# KiCad board SmartSolarHeatingProject.kicad_pcb
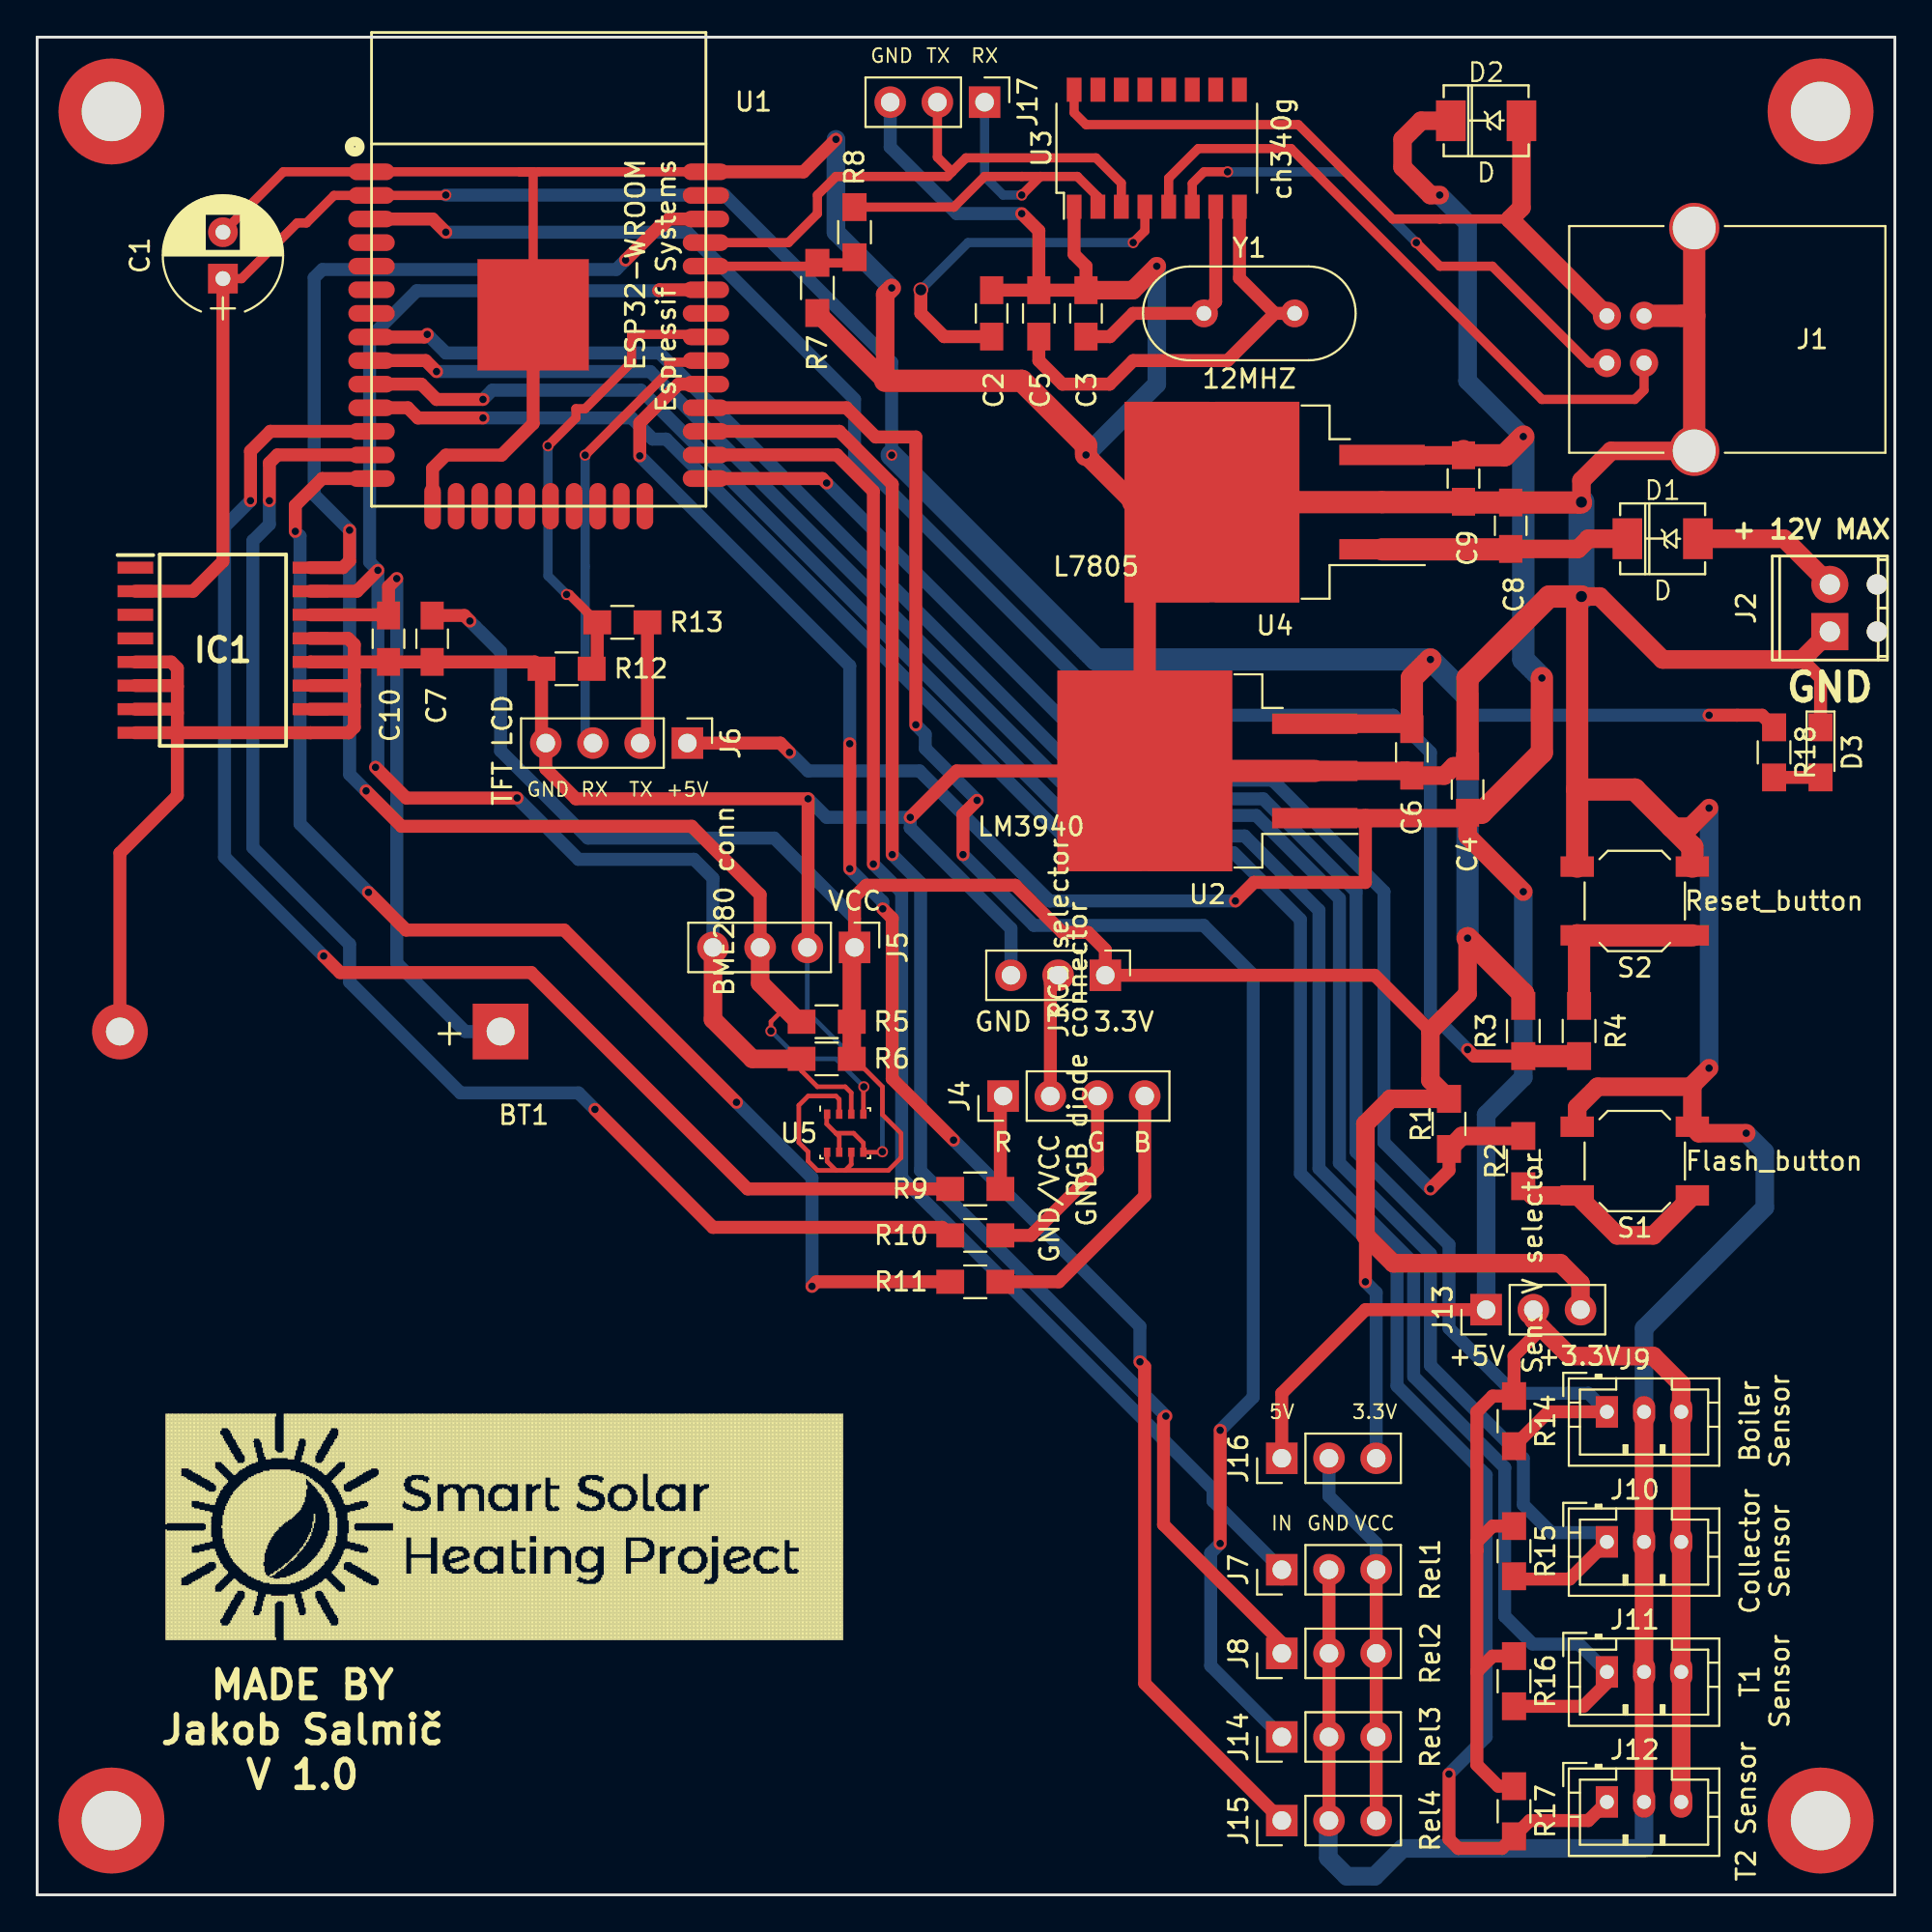
[diagram p0: board, top side]
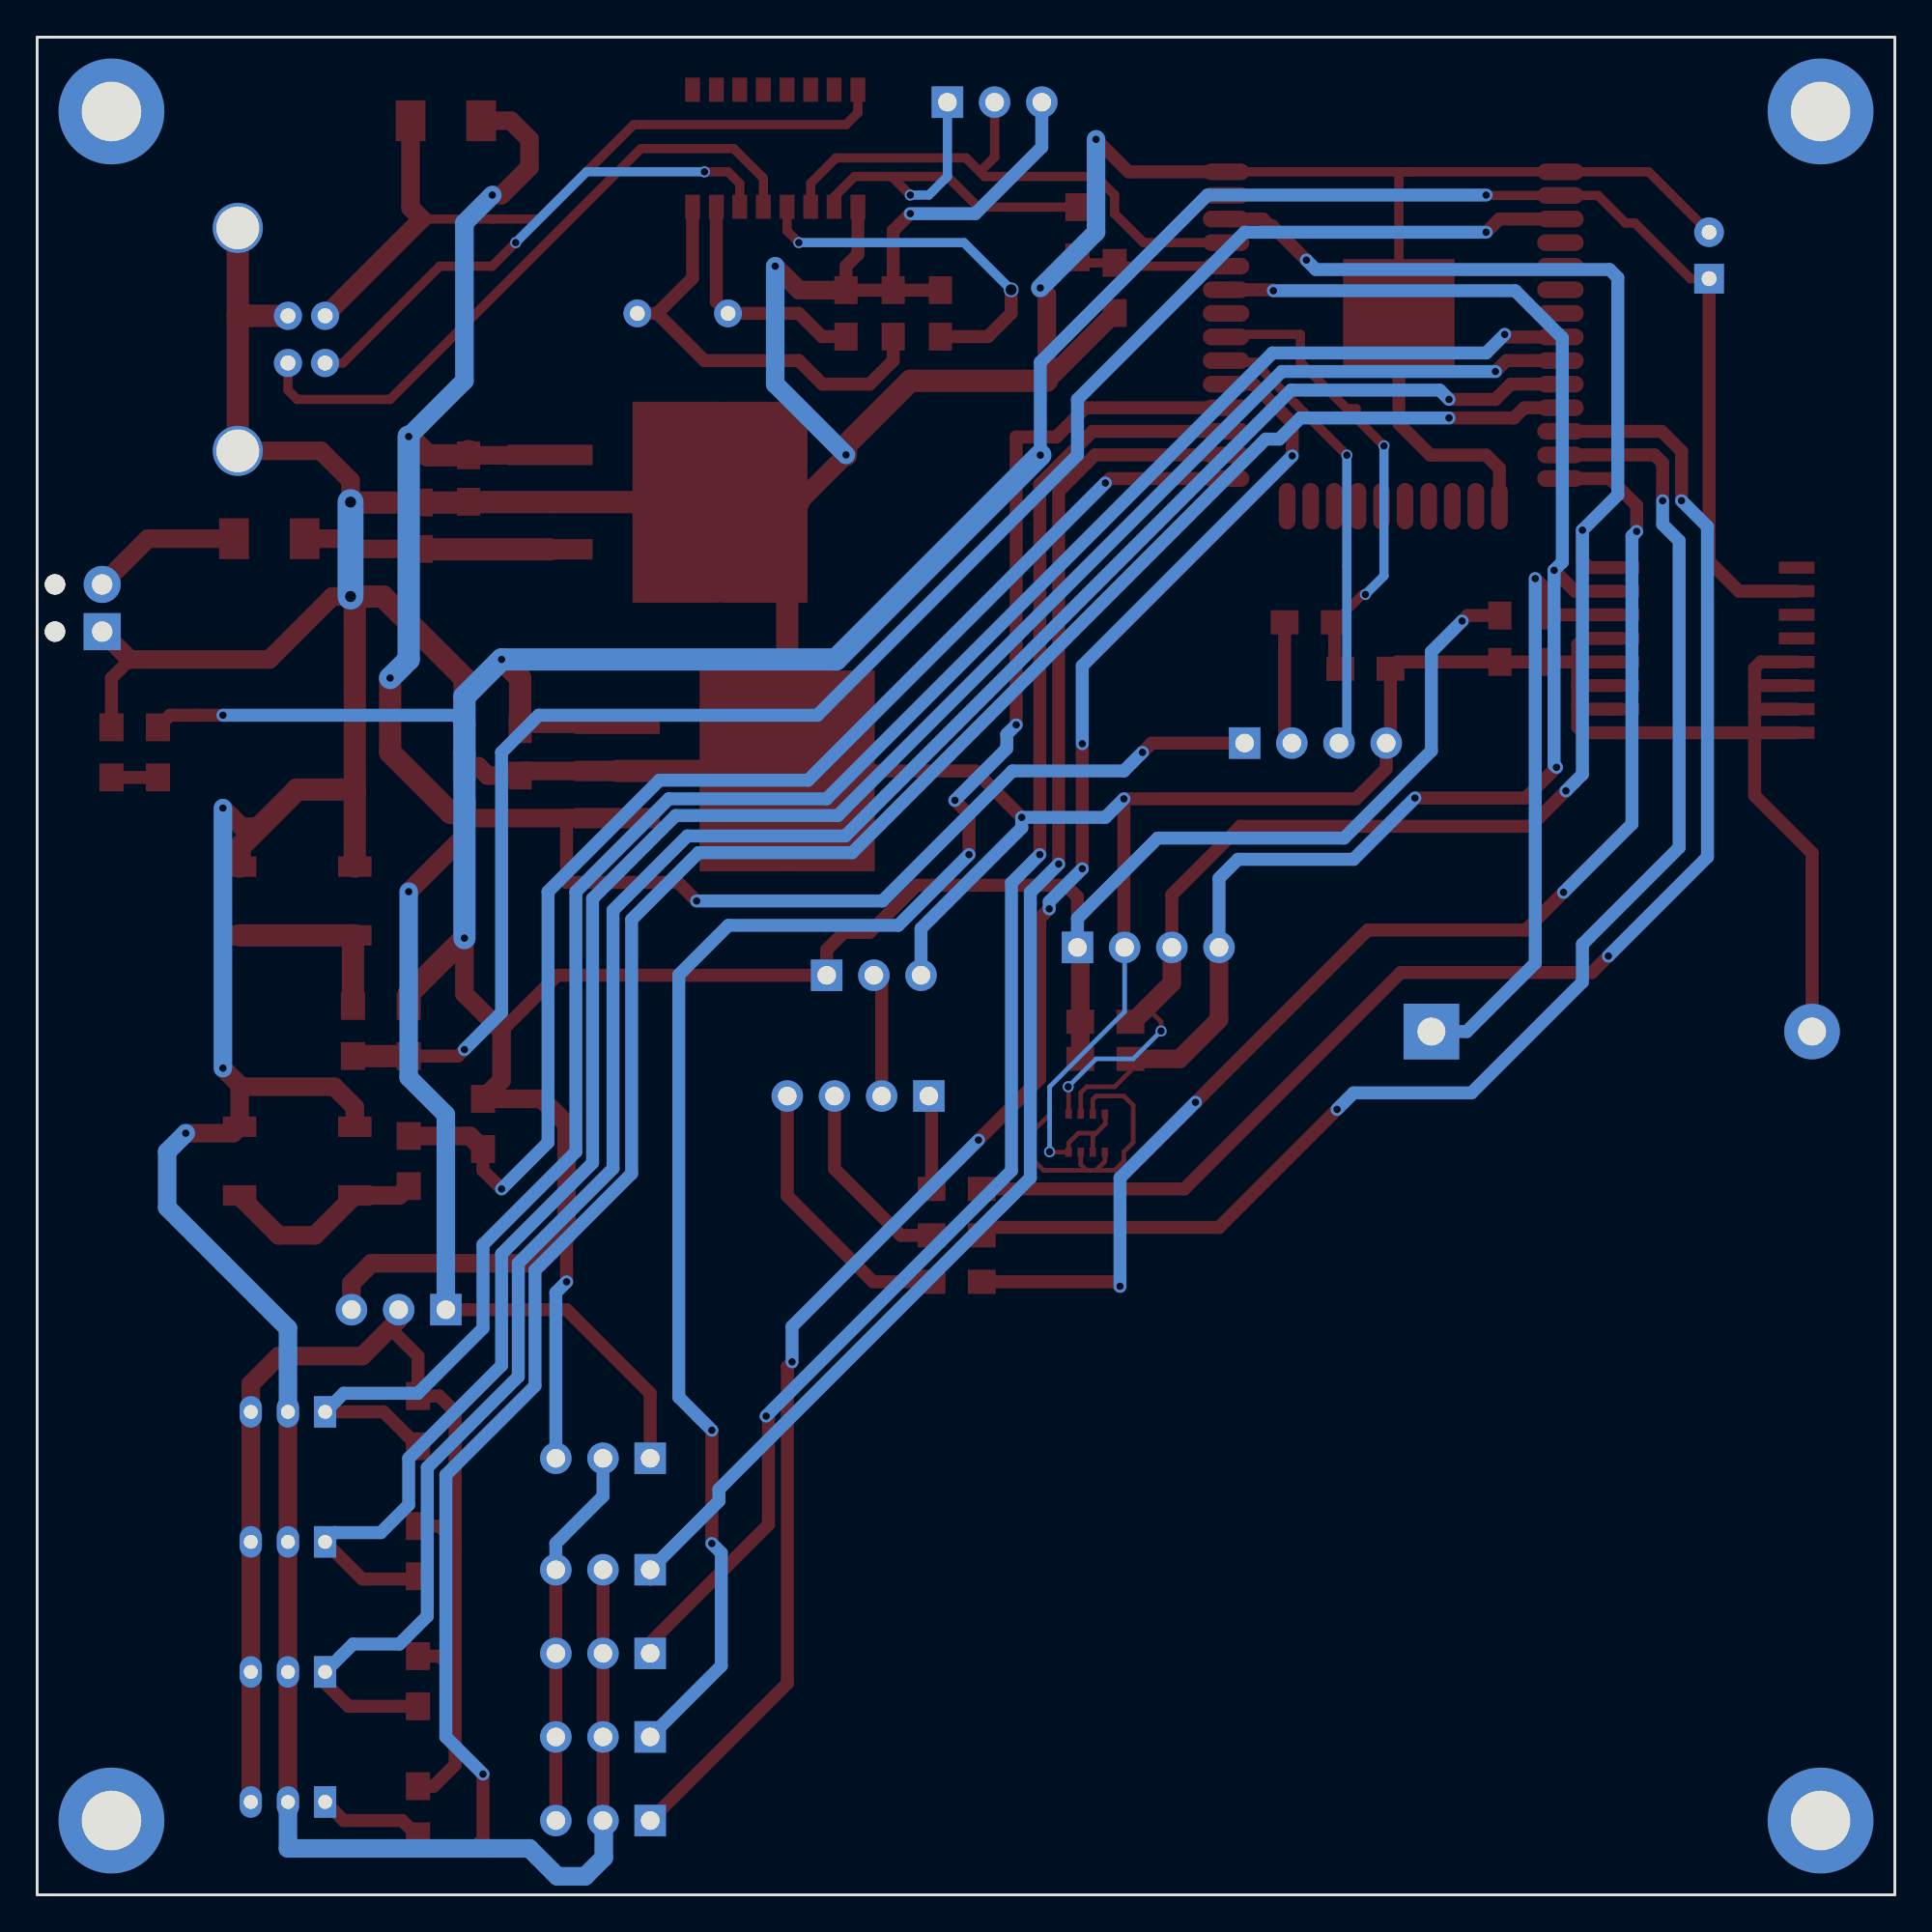
[diagram p1: board, bottom side, seen from below]

Outline 100 x 100 mm; copper layers: Top, Bottom. Coordinates in mm from the lower left corner of the outline.
Outline path: 0,100 0,0 100,0 100,100 0,100

## Placement (name value [footprint] x y rotation side)
BT1  Battery_Cell  [Keystone_106_1x20mm-CoinCell]  24.95 46.47 180 top
C1  100uF  [CP_Radial_D6.3mm_P2.50mm]  10 87 90 top
C2  0.1uF  [C_0805_HandSoldering]  51.38 85.13 90 top
C3  22pF  [C_0805_HandSoldering]  56.46 85.13 90 top
C4  10uF  [C_0805_HandSoldering]  77 59.5 90 top
C5  22pF  [C_0805_HandSoldering]  53.92 85.13 90 top
C6  10uF  [C_0805_HandSoldering]  74 61.5 270 top
C7  0.01uF  [C_0805_HandSoldering]  21.26 67.62 270 top
C8  10uF  [C_0805_HandSoldering]  79.32 73.7 90 top
C9  10uF  [C_0805_HandSoldering]  76.78 76.24 270 top
C10  0.01uF  [C_0805_HandSoldering]  18.91 67.62 270 top
D1  D  [DO-214AC(SMA)]  87.5 73 0 top
D2  D  [DO-214AC(SMA)]  78 95.5 0 top
D3  LED  [LED_0805_HandSoldering]  96 61.5 270 top
IC1  DS3231N  [SOIC127P1032X265-16N]  10 67 0 top
J1  -  [USB_B]  84.5 85 0 top
J2  Power_Screw_Terminal  [TerminalBlock_Pheonix_MPT-2.54mm_2pol]  96.5 68 90 top
J3  RGB selector  [Pin_Header_Straight_1x03_Pitch2.54mm]  57.5 49.5 270 top
J4  RGB diode connector  [Pin_Header_Straight_1x04_Pitch2.54mm]  52 43 90 top
J5  BME280 conn  [Socket_Strip_Straight_1x04_Pitch2.54mm]  44 51 270 top
J6  TFT LCD  [Socket_Strip_Straight_1x04_Pitch2.54mm]  35 62 270 top
J7  Relay1 conn  [Pin_Header_Straight_1x03_Pitch2.54mm]  67 17.5 90 top
J8  Relay2 conn  [Pin_Header_Straight_1x03_Pitch2.54mm]  67 13 90 top
J9  TempSensor1 conn  [JST_PH_B3B-PH-K_03x2.00mm_Straight]  84.5 26 0 top
J10  TempSensor2 conn  [JST_PH_B3B-PH-K_03x2.00mm_Straight]  84.5 19 0 top
J11  TempSensor3 conn  [JST_PH_B3B-PH-K_03x2.00mm_Straight]  84.5 12 0 top
J12  TempSensor4 conn  [JST_PH_B3B-PH-K_03x2.00mm_Straight]  84.5 5 0 top
J13  Sens V selector  [Pin_Header_Straight_1x03_Pitch2.54mm]  78 31.5 90 top
J14  Relay3 conn  [Pin_Header_Straight_1x03_Pitch2.54mm]  67 8.5 90 top
J15  Relay4 conn  [Pin_Header_Straight_1x03_Pitch2.54mm]  67 4 90 top
J16  Relay V selector  [Pin_Header_Straight_1x03_Pitch2.54mm]  67 23.5 90 top
J17  UART  [Pin_Header_Straight_1x03_Pitch2.54mm]  51 96.5 270 top
LOGO  -  [LOGO]  6.91 25.9 0 top
NOREF  MountingHole_3.2mm_M3  [MountingHole_3.2mm_M3_ISO7380_Pad]  4 96 0 top
NOREF#2  MountingHole_3.2mm_M3  [MountingHole_3.2mm_M3_ISO7380_Pad]  4 4 0 top
NOREF#3  MountingHole_3.2mm_M3  [MountingHole_3.2mm_M3_ISO7380_Pad]  96 96 0 top
NOREF#4  MountingHole_3.2mm_M3  [MountingHole_3.2mm_M3_ISO7380_Pad]  96 4 0 top
R1  12K  [R_0805_HandSoldering]  76 41.5 270 top
R2  1K  [R_0805_HandSoldering]  80 39.5 270 top
R3  12K  [R_0805_HandSoldering]  80 46.5 270 top
R4  1K  [R_0805_HandSoldering]  83 46.5 90 top
R5  10K  [R_0805_HandSoldering]  42.5 47 180 top
R6  10K  [R_0805_HandSoldering]  42.5 45 180 top
R7  2K  [R_0805_HandSoldering]  42 86.5 270 top
R8  1K  [R_0805_HandSoldering]  44 89.5 90 top
R9  470  [R_0805_HandSoldering]  50.5 38 0 top
R10  470  [R_0805_HandSoldering]  50.5 35.5 0 top
R11  470  [R_0805_HandSoldering]  50.5 33 0 top
R12  2K  [R_0805_HandSoldering]  28.5 66 180 top
R13  1K  [R_0805_HandSoldering]  31.5 68.5 180 top
R14  2.7K  [R_0805_HandSoldering]  79.5 25.5 270 top
R15  2.7K  [R_0805_HandSoldering]  79.5 18.5 270 top
R16  2.7K  [R_0805_HandSoldering]  79.5 11.5 270 top
R17  2.7K  [R_0805_HandSoldering]  79.5 4.5 270 top
R18  1K  [R_0805_HandSoldering]  93.5 61.5 270 top
S1  Flash_button  [SW_SPST_SKQG]  86 39.5 180 top
S2  Reset_button  [SW_SPST_SKQG]  86 53.5 180 top
U1  -  [ESP32-WROOM]  27 87.5 180 top
U2  LM3940  [TO-263-3_TabPin2]  63 60.5 180 top
U3  ch340g  [SOP-16_4.4x10.4mm_Pitch1.27mm]  60.27 94.02 90 top
U4  L7805  [TO-263-3_TabPin2]  66.62 74.97 180 top
U5  BME280  [Bosch_LGA-8_2.5x2.5mm_Pitch0.65mm_ClockwisePinNumbering]  43.5 41 0 top
Y1  12MHZ  [Crystal_HC49-4H_Vertical]  62.81 85.13 0 top

## Footprints (pads in the part's own frame, mm; a bottom-side part is the same pattern mirrored in y, then rotated)
Bosch_LGA-8_2.5x2.5mm_Pitch0.65mm_ClockwisePinNumbering
  rect 0.35x0.5 smd: 1(-0.975,1.025) 2(-0.325,1.025) 3(0.325,1.025) 4(0.975,1.025) 5(0.975,-1.025) 6(0.325,-1.025) 7(-0.325,-1.025) 8(-0.975,-1.025)
C_0805_HandSoldering
  rect 1.5x1.25 smd: 1(-1.25,0) 2(1.25,0)
CP_Radial_D6.3mm_P2.50mm
  rect 1.6x1.6 hole 0.8: 1(0,0)
  round 1.6 hole 0.8: 2(2.5,0)
Crystal_HC49-4H_Vertical
  round 1.5 hole 0.8: 1(0,0) 2(4.88,0)
DO-214AC(SMA)
  rect 1.6x2.2 smd: 1(-1.9,0) 2(1.9,0)
ESP32-WROOM
  oval 2.5x0.9 smd: 1(9,-5.25) 2(9,-3.98) 3(9,-2.71) 4(9,-1.44) 5(9,-0.17) 6(9,1.1) 7(9,2.37) 8(9,3.64) 9(9,4.91) 10(9,6.18) 11(9,7.45) 12(9,8.72) 13(9,9.99) 14(9,11.26) 25(-9,11.26) 26(-9,9.99) 27(-9,8.72) 28(-9,7.45) 29(-9,6.18) 30(-9,4.91) 31(-9,3.64) 32(-9,2.37) 33(-9,1.1) 34(-9,-0.17) 35(-9,-1.44) 36(-9,-2.71) 37(-9,-3.98) 38(-9,-5.25)
  oval 0.9x2.5 smd: 15(5.715,12.75) 16(4.445,12.75) 17(3.175,12.75) 18(1.905,12.75) 19(0.635,12.75) 20(-0.635,12.75) 21(-1.905,12.75) 22(-3.175,12.75) 23(-4.445,12.75) 24(-5.715,12.75)
  rect 6x6 smd: 39(0.3,2.45)
JST_PH_B3B-PH-K_03x2.00mm_Straight
  rect 1.2x1.7 hole 0.75: 1(0,0)
  oval 1.2x1.7 hole 0.75: 2(2,0) 3(4,0)
Keystone_106_1x20mm-CoinCell
  rect 3x3 hole 1.5: 1(0,0)
  round 3 hole 1.5: 2(20.49,0)
LED_0805_HandSoldering
  rect 1.5x1.3 smd: 1(-1.35,0) 2(1.35,0)
MountingHole_3.2mm_M3_ISO7380_Pad
  round 5.7 hole 3.2: 1(0,0)
Pin_Header_Straight_1x03_Pitch2.54mm
  rect 1.7x1.7 hole 1: 1(0,0)
  oval 1.7x1.7 hole 1: 2(0,-2.54) 3(0,-5.08)
Pin_Header_Straight_1x04_Pitch2.54mm
  rect 1.7x1.7 hole 1: 1(0,0)
  oval 1.7x1.7 hole 1: 2(0,-2.54) 3(0,-5.08) 4(0,-7.62)
R_0805_HandSoldering
  rect 1.5x1.3 smd: 1(-1.35,0) 2(1.35,0)
Socket_Strip_Straight_1x04_Pitch2.54mm
  rect 1.7x1.7 hole 1: 1(0,0)
  oval 1.7x1.7 hole 1: 2(0,-2.54) 3(0,-5.08) 4(0,-7.62)
SOIC127P1032X265-16N
  rect 1.925x0.65 smd: 1(-4.712,4.445) 2(-4.712,3.175) 3(-4.712,1.905) 4(-4.712,0.635) 5(-4.712,-0.635) 6(-4.712,-1.905) 7(-4.712,-3.175) 8(-4.712,-4.445) 9(4.712,-4.445) 10(4.712,-3.175) 11(4.712,-1.905) 12(4.712,-0.635) 13(4.712,0.635) 14(4.712,1.905) 15(4.712,3.175) 16(4.712,4.445)
SOP-16_4.4x10.4mm_Pitch1.27mm
  rect 1.3x0.8 smd: 1(-3.15,4.45) 2(-3.15,3.17) 3(-3.15,1.91) 4(-3.15,0.64) 5(-3.15,-0.64) 6(-3.15,-1.91) 7(-3.15,-3.17) 8(-3.15,-4.45) 9(3.15,-4.45) 10(3.15,-3.17) 11(3.15,-1.91) 12(3.15,-0.64) 13(3.15,0.64) 14(3.15,1.91) 15(3.15,3.17) 16(3.15,4.45)
SW_SPST_SKQG
  rect 1.8x1.1 smd: 1(-3.1,1.85) 1(3.1,1.85) 2(-3.1,-1.85) 2(3.1,-1.85)
TerminalBlock_Pheonix_MPT-2.54mm_2pol
  round 1.1 hole 1.1 unplated: (0,-2.54) (2.54,-2.54)
  rect 1.999x1.999 hole 1.097: 1(0,0)
  oval 1.999x1.999 hole 1.097: 2(2.54,0)
TO-263-3_TabPin2
  rect 4.6x1.1 smd: 1(-5.775,2.54) 2(-5.775,0) 3(-5.775,-2.54)
  rect 4.55x5.25 smd: 2(0.95,2.775) 2(0.95,-2.775) 2(5.8,2.775) 2(5.8,-2.775)
  rect 9.4x10.8 smd: 2(3.375,0)
USB_B
  round 1.52 hole 0.81: 1(0,0) 2(0,-2.54) 3(2,-2.54) 4(2,0)
  round 2.7 hole 2.3: 5(4.7,4.73) 5(4.7,-7.27)

## Nets
+3V3: C1.1 C6.1 C7.1 IC1.2 J3.1 J5.1 J13.3 J16.3 R1.1 R3.1 R5.1 R6.1 R18.1 U1.2 U2.3 U5.2 U5.6 U5.8
+5V: C4.1 C9.1 D2.1 J6.1 J13.1 J16.1 U2.1 U4.3
GND: BT1.2 C1.2 C2.2 C3.2 C4.2 C5.2 C6.2 C7.2 C8.2 C9.2 C10.2 D3.1 IC1.5 IC1.6 IC1.7 IC1.8 IC1.9 IC1.10 IC1.11 IC1.12 IC1.13 J1.4 J1.5 J2.1 J3.3 J5.2 J6.4 J7.2 J8.2 J9.2 J10.2 J11.2 J12.2 J14.2 J15.2 J17.3 R7.2 R12.2 S1.2 S2.2 U1.1 U1.15 U1.38 U1.39 U2.2 U3.1 U4.2 U5.1 U5.5 U5.7
VBUS: D2.2 J1.1 U3.16
VDD: C8.1 D1.1 U4.1
/BoilerTempSensor: J9.1 R14.2 U1.8
/CollectorTempSensor: J10.1 R15.2 U1.9
/EN: R3.2 R4.1 U1.3
/ESP32RX: J17.1 R8.2 U3.2
/ESP32TX: J17.2 U1.35 U3.3
/IO0: R1.2 R2.1 U1.25
/Relay1IN: J7.1 U1.26
/Relay2IN: J8.1 U1.27
/Relay3IN: J14.1 U1.28
/Relay4IN: J15.1 U1.29
/RelayVCC: J7.3 J8.3 J14.3 J15.3 J16.2
/RGBBlue: R11.1 U1.14
/RGBGreen: R10.1 U1.13
/RGBRed: R9.1 U1.12
/SCL: IC1.16 J5.3 R5.2 U1.36 U5.4
/SDA: IC1.15 J5.4 R6.2 U1.33 U5.3
/T1Sensor: J11.1 R16.2 U1.10
/T2Sensor: J12.1 R17.2 U1.11
/TempSensorsVCC: J9.3 J10.3 J11.3 J12.3 J13.2 R14.1 R15.1 R16.1 R17.1
/TFTRX: J6.3 U1.30
/TFTTX: R12.1 R13.2 U1.31
/USBD+: J1.3 U3.5
/USBD-: J1.2 U3.6
Net-(BT1-Pad1): BT1.1 C10.1 IC1.14
Net-(C2-Pad1): C2.1 U3.4
Net-(C3-Pad1): C3.1 U3.7 Y1.1
Net-(C5-Pad1): C5.1 U3.8 Y1.2
Net-(D1-Pad2): D1.2 J2.2
Net-(D3-Pad2): D3.2 R18.2
Net-(IC1-Pad1): IC1.1
Net-(IC1-Pad3): IC1.3
Net-(IC1-Pad4): IC1.4
Net-(J3-Pad2): J3.2 J4.2
Net-(J4-Pad1): J4.1 R9.2
Net-(J4-Pad3): J4.3 R10.2
Net-(J4-Pad4): J4.4 R11.2
Net-(J6-Pad2): J6.2 R13.1
Net-(R2-Pad2): R2.2 S1.1
Net-(R4-Pad2): R4.2 S2.1
Net-(R7-Pad1): R7.1 R8.1 U1.34
Net-(U1-Pad4): U1.4
Net-(U1-Pad5): U1.5
Net-(U1-Pad6): U1.6
Net-(U1-Pad7): U1.7
Net-(U1-Pad16): U1.16
Net-(U1-Pad17): U1.17
Net-(U1-Pad18): U1.18
Net-(U1-Pad19): U1.19
Net-(U1-Pad20): U1.20
Net-(U1-Pad21): U1.21
Net-(U1-Pad22): U1.22
Net-(U1-Pad23): U1.23
Net-(U1-Pad24): U1.24
Net-(U1-Pad32): U1.32
Net-(U1-Pad37): U1.37
Net-(U3-Pad9): U3.9
Net-(U3-Pad10): U3.10
Net-(U3-Pad11): U3.11
Net-(U3-Pad12): U3.12
Net-(U3-Pad13): U3.13
Net-(U3-Pad14): U3.14
Net-(U3-Pad15): U3.15

Pads without a net: NOREF 1; NOREF#2 1; NOREF#3 1; NOREF#4 1

## Via types
v1: diameter 0.6, hole 0.4, Top to Bottom, 72 vias
v2: diameter 0.8, hole 0.6, Top to Bottom, 3 vias

## Routing (per net, layer and track width the routed paths; a pad name or vN(x,y) marks a point on that pad's centre or on a via; arc(x,y) is an arc through that point)
+3V3: length 294.2
  Top w0.25: 43.5,39 43.82,39.33 U5.6 ; 43.5,39 43,39 ; 43.5,39 45.82,39 46.5,39.68 46.5,41 45.5,42 45.5,43.5 44,45 R6.1 ; 43,39 42.53,39.47 U5.8 ; 43,39 42,39 41.5,39.5 41.5,40 41,40.5 41,42.5 41.5,43 43,43 43.18,42.83 U5.2
  Top w0.5: v1(22,91.5) 21.98,91.48 U1.2 15.98,91.48 14.5,90 14,90 11,87 C1.1
  Top w0.7: C1.1 10,71.78 8.39,70.17 IC1.2 ; v1(23.29,68.57) 23,68.87 C7.1 ; 75,46.5 72,49.5 J3.1 57.5,50.88 56.57,51.81 55.19,51.81 52.65,54.35 44.63,54.35 44,53.72 J5.1 ; v1(90,63.5) 92.85,63.5 R18.1 ; 71.5,35.5 v1(71.5,33)
  Top w1: C6.1 73.71,63.04 U2.3 ; J13.3 83.08,32.92 82,34 73,34 71.5,35.5 71.5,41.5 72.85,42.85 R1.1 75,43.85 75,46.5 77,48.5 v1(77,51.5) ; J5.1 43.85,50.85 R5.1 R6.1
  Top w1.2: v1(75,66.5) 74,65.5 C6.1 ; v1(77,51.5) 80,48.5 R3.1
  Bottom w0.7: v1(22,91.5) 37,91.5 46,82.5 v1(46,77.5) ; v1(71.5,33) 72.08,32.42 J16.3 ; v1(23.29,68.57) 24.95,66.92 24.95,61.58 29.65,56.89 39.68,56.89 44,52.56 J5.1 ; v1(90,63.5) 77.5,63.5 77,63
  Bottom w1.2: v1(46,77.5) 57,66.5 v1(75,66.5) 77,64.5 v1(77,51.5)
+5V: length 151.4
  Top w0.7: v1(40.5,61.5) 40,62 J6.1 ; v1(64.5,53.5) 65.5,54.5 71.5,54.5 71.5,57.96 ; 71.5,57.96 71.5,57.5 71.5,57.96 ; J16.1 67,27 71.5,31.5 J13.1
  Top w1: U4.3 72.41,77.49 C9.1 ; v1(80,54) 77,57 C4.1 76.71,57.96 U2.1 ; v1(75.5,91.5) 75,91.5 73.5,93 73.5,94.5 74.5,95.5 D2.1
  Top w1.2: 76.78,77.72 C9.1 78.99,77.49 v1(80,78.5) ; v1(81,65.5) 81,61.5 77.75,58.25 C4.1
  Bottom w0.7: v1(40.5,61.5) 41.5,60.5 47.5,60.5 54.5,53.5 v1(64.5,53.5)
  Bottom w1: v1(80,54) 80,44 78,42 J13.1 ; v1(75.5,91.5) 77,90 77,81.5 v1(80,78.5)
  Bottom w1.2: v1(81,65.5) 80,66.5 v1(80,78.5)
GND: length 529.2
  Top w0.25: 43,41 43.18,40.83 U5.7 ; 43,41 42.5,41.5 42.5,42 U5.1 ; 43,41 43.95,41 44.47,40.47 U5.5 45.47,39.97 v1(45.5,40)
  Top w0.5: 26,92.75 U1.38 ; 26,92.75 U1.1 13.25,92.75 C1.2 ; 26,92.75 26.7,92.75 U1.39
  Top w0.7: v1(43,94.5) 41.25,92.75 U1.38 ; U1.39 26.7,79.2 25,77.5 22,77.5 21.28,76.78 U1.15 ; v1(47,58) 49.5,60.5 U2.2 ; IC1.12 14.71,66.37 17.07,66.37 ; 17.07,66.37 17.07,67.3 16.74,67.64 IC1.13 ; 17.07,66.37 17.07,65.14 ; 17.07,66.37 C10.2 C7.2 26.78,66.37 R12.2 27.15,62.23 J6.4 27.38,60.62 29,59 v1(41.5,59) 41.5,51.04 J5.2 ; 17.07,64 16.9,63.83 IC1.10 ; 17.07,64 17.07,65.14 ; 17.07,64 17.07,62.86 16.77,62.56 IC1.9 7.55,62.56 ; 17.07,65.14 17.07,65.09 IC1.11 ; 7.55,63.62 7.34,63.83 IC1.7 ; 7.55,63.62 7.55,62.56 ; 7.55,63.62 7.55,65.05 ; 7.55,62.56 7.55,59.17 4.46,56.08 BT1.2 ; 7.55,62.56 IC1.8 ; 7.55,65.05 7.5,65.09 IC1.6 ; 7.55,65.05 7.55,66.03 7.21,66.36 IC1.5 ; v1(53,90.5) 53.92,89.58 C5.2 ; C5.2 C2.2 ; C5.2 C3.2 56.46,87.67 55.82,88.31 U3.1 ; 95,66.5 96,65.5 D3.1 ; J15.2 J14.2 J8.2 J7.2
  Top w1: 83.11,74.95 v2(83.13,74.97) 83.13,76.13 84.73,77.73 J1.5 ; 76.82,74.95 76.8,74.97 ; 59,74.97 v1(56.46,77.51) ; v1(60.27,87.67) 58.98,86.38 C3.2 ; R7.2 45.65,81.5 45.65,86.15 v1(46,86.5) ; 26.7,87.2 U1.39 ; C4.2 76.25,60.75 75.75,60.25 C6.2 73.75,60.5 U2.2 ; v1(90,58.5) 89,57.5 88,57.5 ; v1(90,44.5) 89.1,43.6 89.1,43.5 ; 89.1,43.5 84,43.5 82.9,42.4 S1.2 ; 89.1,43.5 S1.2 ; S1.2 89.45,41 v1(92,41) ; S1.2 89.25,41.5 ; J12.2 J11.2 J10.2 J9.2 ; J2.1 95,66.5 87.5,66.5 84.11,69.89 v2(83.13,69.89)
  Top w1.2: 83.11,74.95 C8.2 76.82,74.95 C9.2 ; 76.8,74.97 U4.2 U4.2 ; 45.65,81.5 53,81.5 56.46,78.04 v1(56.46,77.51) ; 66,72.22 U4.2 ; U4.2 59.62,71.35 U2.2 U2.2 ; U4.2 59,74.97 ; C4.2 77,65.5 81.39,69.89 v2(83.13,69.89) 82.9,69.89 82.9,59.5 ; 82.9,59.5 86,59.5 89.1,56.4 S2.2 ; 82.9,59.5 S2.2 ; 89.2,85 J1.4 ; 89.2,85 J1.5 ; 89.2,85 J1.5
  Bottom w0.25: v1(45.5,40) 45.5,43.5 41.46,47.54 J5.2
  Bottom w0.7: v1(41.5,59) 42.5,58 v1(47,58) 47,57.44 52.42,52.02 J3.3 ; v1(53,90.5) 49.5,90.5 45.92,94.08 J17.3
  Bottom w1: v1(56.46,77.51) 60.27,81.32 v1(60.27,87.67) ; v1(46,86.5) 43,89.5 v1(43,94.5) ; v1(90,58.5) v1(90,44.5) ; v1(92,41) 93,40 93,37 86.5,30.5 J9.2 ; J15.2 69.5,3.96 69.5,2 70.5,1 72,1 73.5,2.5 86.5,2.5 J12.2
  Bottom w1.4: v2(83.13,69.89) v2(83.13,74.97)
VBUS: length 40
  Top w0.5: U3.16 55.82,95.93 56.46,95.29 67.89,95.29 72.97,90.21 75.5,90.21 ; 75.5,90.21 79.29,90.21 ; 75.5,90.21 75.51,90.21
  Top w1: J1.1 79.29,90.21 79.9,90.82 D2.2
VDD: length 13.4
  Top w1: 79.3,72.43 C8.1 82.95,72.45 83.5,73 D1.1
  Top w1.2: U4.1 79.3,72.43
/BoilerTempSensor: length 107.2
  Top w0.7: v1(21,84) 20.86,83.86 U1.8 ; J9.1 81.35,26 R14.2
  Bottom w0.7: v1(21,84) 22,83 33.5,83 57.5,59 66,59 71,54 71,40 76,35 76,30.5 79.5,27 83.5,27 J9.1
/CollectorTempSensor: length 112.4
  Top w0.7: 79.85,17.15 R15.2 79.65,17 82.5,17 J10.1 ; v1(21.5,82) 20.91,82.59 U1.9
  Bottom w0.7: v1(21.5,82) 33,82 56.9,58.1 65.63,58.1 70.1,53.63 70.1,39.4 75,34.5 75,28.5 80,23.5 80,21 81.5,19.5 84,19.5 J10.1
/EN: length 93.6
  Top w0.7: v1(22,89.5) 21.29,90.21 U1.3 ; v1(77,45.5) 77.35,45.15 R3.2
  Top w1.2: R4.1 R3.2
  Bottom w0.7: v1(22,89.5) 35,89.5 44,80.5 44,77.5 58,63.5 73,63.5 75,61.5 75,47.5 v1(77,45.5)
/ESP32RX: length 22.6
  Top w0.5: 54,92.5 56,92.5 57.1,91.4 U3.2 ; 54,92.5 v1(53,91.5) ; 54,92.5 51,92.5 49.35,90.85 R8.2
  Bottom w0.5: v1(53,91.5) 52,91.5 51,92.5 J17.1
/ESP32TX: length 30.7
  Top w0.5: 49.25,92.75 49,92.5 43,92.5 42,91.5 42,90.5 40.44,88.94 U1.35 ; 49.25,92.75 48.46,93.54 J17.2 ; 49.25,92.75 50,93.5 57,93.5 58.36,92.14 U3.3
/IO0: length 69.6
  Top w0.7: v1(75,38) 76,39 R1.2 ; v1(42.5,76) 42.26,76.24 U1.25
  Top w1: R1.2 76.7,40.85 R2.1
  Bottom w0.7: v1(75,38) 72.5,40.5 72.5,54 66.5,60 58.5,60 v1(42.5,76)
/Relay1IN: length 77.5
  Top w0.7: v1(45.01,55.49) 45.01,75.56 43.06,77.51 U1.26
  Bottom w0.7: 67,17 J7.1 63.3,21.2 63.3,21.83 46.54,38.6 46.54,53.97 v1(45.01,55.49)
/Relay2IN: length 82.9
  Top w0.7: v1(46.03,56) 46.03,75.94 43.18,78.78 U1.27 ; v1(60.76,25.77) 60.63,25.64 60.63,19.93 67,13.56 J8.1
  Bottom w0.7: v1(46.03,56) 47.55,54.47 47.55,38.98 v1(60.76,25.77)
/Relay3IN: length 98
  Top w0.7: v1(47.3,62.98) 47.3,78.48 45.14,78.48 43.56,80.05 U1.28 ; v1(50.6,58.92) 49.84,58.16 v1(49.84,56) ; v1(63.68,25.01) v1(63.68,18.91)
  Bottom w0.7: v1(47.3,62.98) 47.81,62.47 47.81,61.71 v1(50.6,58.92) ; v1(49.84,56) 53.65,52.19 62.79,52.19 65.46,49.52 65.46,26.79 v1(63.68,25.01) ; v1(63.68,18.91) 63.17,18.41 63.17,12.33 J14.1
/Relay4IN: length 94
  Top w0.7: v1(32.44,77.46) 32.44,79.24 34.52,81.32 U1.29 ; v1(43.74,61.97) v1(43.74,55.23) ; v1(45.52,53.08) 46.03,52.57 46.03,43.93 v1(49.33,40.63) ; v1(59.36,28.69) 59.62,28.44 59.62,11.38 J15.1
  Bottom w0.7: v1(32.44,77.46) 43.74,66.16 v1(43.74,61.97) ; v1(43.74,55.23) 45.52,53.46 v1(45.52,53.08) ; v1(49.33,40.63) 59.36,30.6 v1(59.36,28.69)
/RelayVCC: length 20.6
  Top w0.7: J7.3 J8.3 J14.3 J15.3
  Bottom w0.7: J7.3 72.08,18.92 69.54,21.46 J16.2
/RGBBlue: length 70.8
  Top w0.7: v1(13.9,73.4) 13.9,74.79 15.34,76.24 U1.14 ; v1(17.83,53.97) 19.87,51.93 28.38,51.93 v1(37.65,42.66) ; v1(41.71,32.76) 41.95,33 R11.1
  Bottom w0.7: v1(13.9,73.4) 14.15,73.14 14.15,57.65 v1(17.83,53.97) ; v1(37.65,42.66) 41.71,38.6 v1(41.71,32.76)
/RGBGreen: length 74.1
  Top w0.7: v1(12.5,75.05) 12.5,77.08 12.93,77.51 U1.13 ; v1(30.03,42.28) 36.38,35.93 48.72,35.93 R10.1
  Bottom w0.7: v1(12.5,75.05) 12.5,73.78 11.61,72.89 11.61,56.38 16.82,51.17 16.82,49.14 22.79,43.17 29.14,43.17 v1(30.03,42.28)
/RGBRed: length 75.8
  Top w0.7: v1(11.48,75.05) 11.48,77.71 12.55,78.78 U1.12 ; v1(15.42,50.54) 16.31,49.65 26.6,49.65 38.24,38 R9.1
  Bottom w0.7: v1(11.48,75.05) 10.09,73.65 10.09,55.87 v1(15.42,50.54)
/SCL: length 95.7
  Top w0.25: v1(39.5,46.5) 39.5,47 40.25,47.75 ; v1(44.5,43.5) 44.47,43.47 U5.4
  Top w0.7: v1(16.82,73.46) 16.82,71.81 16.45,71.44 IC1.16 ; v1(31.68,88) 33.52,89.84 33.65,89.84 34.01,90.21 U1.36 ; v1(17.71,59.43) 19.61,57.52 35.23,57.52 38.92,53.83 J5.3
  Top w1: J5.3 38.92,49.08 41,47 R5.2
  Bottom w0.25: v1(39.5,46.5) 41,45 43,45 v1(44.5,43.5)
  Bottom w0.7: v1(31.68,88) 31.17,87.49 15.36,87.49 14.91,87.05 14.91,75.36 v1(16.82,73.46) 16.82,60.31 v1(17.71,59.43)
/SDA: length 85.6
  Top w0.25: U5.3 43.82,43.17 43.5,43.5 42,43.5 41.15,44.35 R6.2
  Top w0.7: v1(18.34,71.3) 17.22,70.17 IC1.15 ; v1(33.46,86.35) 33.5,86.4 U1.33 35.9,86.5 ; v1(18.22,60.7) 19.87,59.05 v1(25.84,59.05)
  Top w1: J5.4 36.38,47.12 38.5,45 R6.2
  Bottom w0.7: v1(33.46,86.35) 20.44,86.35 17.9,83.81 17.9,71.75 v1(18.34,71.3) 18.34,60.82 v1(18.22,60.7) ; v1(25.84,59.05) 29.14,55.74 35.36,55.74 36.38,54.72 J5.4
/T1Sensor: length 118.5
  Top w0.7: 79.5,10 R16.2 ; R16.2 83.24,10.15 84.5,11.41 J11.1 ; R16.2 79.65,10 ; v1(24,80.5) 21.5,80.5 20.68,81.32 U1.10
  Bottom w0.7: v1(24,80.5) 24.5,81 32.5,81 56.5,57 65,57 69,53 69,39.1 74.1,34 74.1,27.9 79,23 79,15 80.5,13.5 83,13.5 J11.1
/T2Sensor: length 125.6
  Top w0.7: v1(24,79.5) 20.5,79.5 19.95,80.05 U1.11 ; v1(76,6.5) 76,3 76.5,2.5 78.85,2.5 R17.2 80.35,4 83.5,4 J12.1
  Bottom w0.7: v1(24,79.5) 32,79.5 33.14,78.36 33.86,78.36 56.13,56.1 64.4,56.1 68,52.5 68,38.83 73.2,33.63 73.2,27.4 78,22.6 78,8.5 v1(76,6.5)
/TempSensorsVCC: length 66.1
  Top w0.7: 77.5,12 78.35,12.85 R16.1 ; 77.5,12 77.5,7 78.65,5.85 R17.1 79.15,5.85 ; 77.5,12 77.5,18.5 ; 81,30.5 79.5,29 R14.1 78.35,26.85 77.5,26 77.5,18.5 ; 77.5,18.5 77.5,19 78.35,19.85 R15.1
  Top w1: J12.3 J11.3 J10.3 J9.3 88.5,27.5 87,29 82.5,29 80.54,30.96 J13.2
/TFTRX: length 24.6
  Top w0.5: v1(29.5,77.5) 34,82 34,82.5 35.91,82.5 U1.30
  Bottom w0.5: v1(29.5,77.5) 29.5,62.42 J6.3
/TFTTX: length 25.5
  Top w0.5: v1(27.5,78) 29,79.5 29,80 29.5,80 32,82.5 32,84 35.86,84 U1.31 ; v1(28.5,70) 28.65,70 R13.2
  Top w0.7: R12.1 30.15,66.3 R13.2
  Bottom w0.5: v1(27.5,78) 27.5,71 v1(28.5,70)
/USBD+: length 35
  Top w0.5: J1.3 86.5,81 86,80.5 81,80.5 67.5,94 62.5,94 60.91,92.41 U3.5
/USBD-: length 28.1
  Top w0.5: v1(64.08,92.75) 62.81,92.75 62.18,92.12 U3.6 ; J1.2 83.54,82.46 78.33,87.67 75.51,87.67 v1(74.24,88.94)
  Bottom w0.5: v1(74.24,88.94) 70.43,92.75 v1(64.08,92.75)
Net-(BT1-Pad1): length 34.2
  Top w0.7: v1(19.36,70.86) 18.91,70.41 C10.1 18.88,68.91 IC1.14
  Bottom w0.7: v1(19.36,70.86) 19.36,50.16 23.04,46.47 BT1.1
Net-(C2-Pad1): length 20.3
  Top w0.5: v1(59,88.94) 59.63,89.57 U3.4
  Top w0.7: v2(47.57,86.4) 47.57,85.13 48.82,83.88 C2.1
  Bottom w0.5: v2(47.57,86.4) 50.11,88.94 v1(59,88.94)
Net-(C3-Pad1): length 12.9
  Top w0.7: C3.1 57.75,83.88 59,85.13 Y1.1 63.44,85.76 U3.7
Net-(C5-Pad1): length 23.7
  Top w0.7: 66.62,85.13 64.72,87.03 U3.8 ; 66.62,85.13 Y1.2 ; 66.62,85.13 64.08,82.59 59,82.59 57.73,81.32 55.19,81.32 53.92,82.59 C5.1
Net-(D1-Pad2): length 8.1
  Top w1: J2.2 94.04,73 D1.2
Net-(D3-Pad2): length 2.5
  Top w0.7: R18.2 D3.2
Net-(J3-Pad2): length 6.7
  Top w0.7: J3.2 54.54,49.08 J4.2
Net-(J4-Pad1): length 5.1
  Top w0.5: 51.85,42.85 J4.1
  Top w0.7: R9.2 51.85,42.85
Net-(J4-Pad3): length 10.6
  Top w0.7: J4.3 57.08,39.08 53.5,35.5 R10.2
Net-(J4-Pad4): length 15.1
  Top w0.7: J4.4 59.62,37.62 55,33 R11.2
Net-(J6-Pad2): length 7.2
  Top w0.25: 32.85,62.39 J6.2
  Top w0.7: J6.2 32.85,62.39 R13.1
Net-(R2-Pad2): length 11.1
  Top w1: R2.2 80.5,37.65 S1.1 85.05,35.5 87,35.5 89.1,37.6 S1.1
Net-(R4-Pad2): length 10
  Top w1.2: S2.1 S2.1 83,51.55 R4.2
Net-(R7-Pad1): length 8.2
  Top w0.5: R8.1 43.7,87.85 R7.1 41.82,87.67 U1.34

## Text on the board
F.SilkS: GND | RX | TX | +5V | 5V | IN | 3.3V | VCC | R | G | B | +3.3V | GND/VCC | Rel1 | Rel2 | Rel3 | Rel4 | T2 Sensor | Boiler / Sensor | Collector / Sensor | T1 / Sensor | + 12V MAX | MADE BY / Jakob Salmič / V 1.0
